# Altium PCB EMDO601_Patch.PcbDoc (part 3 of 3) (continued)
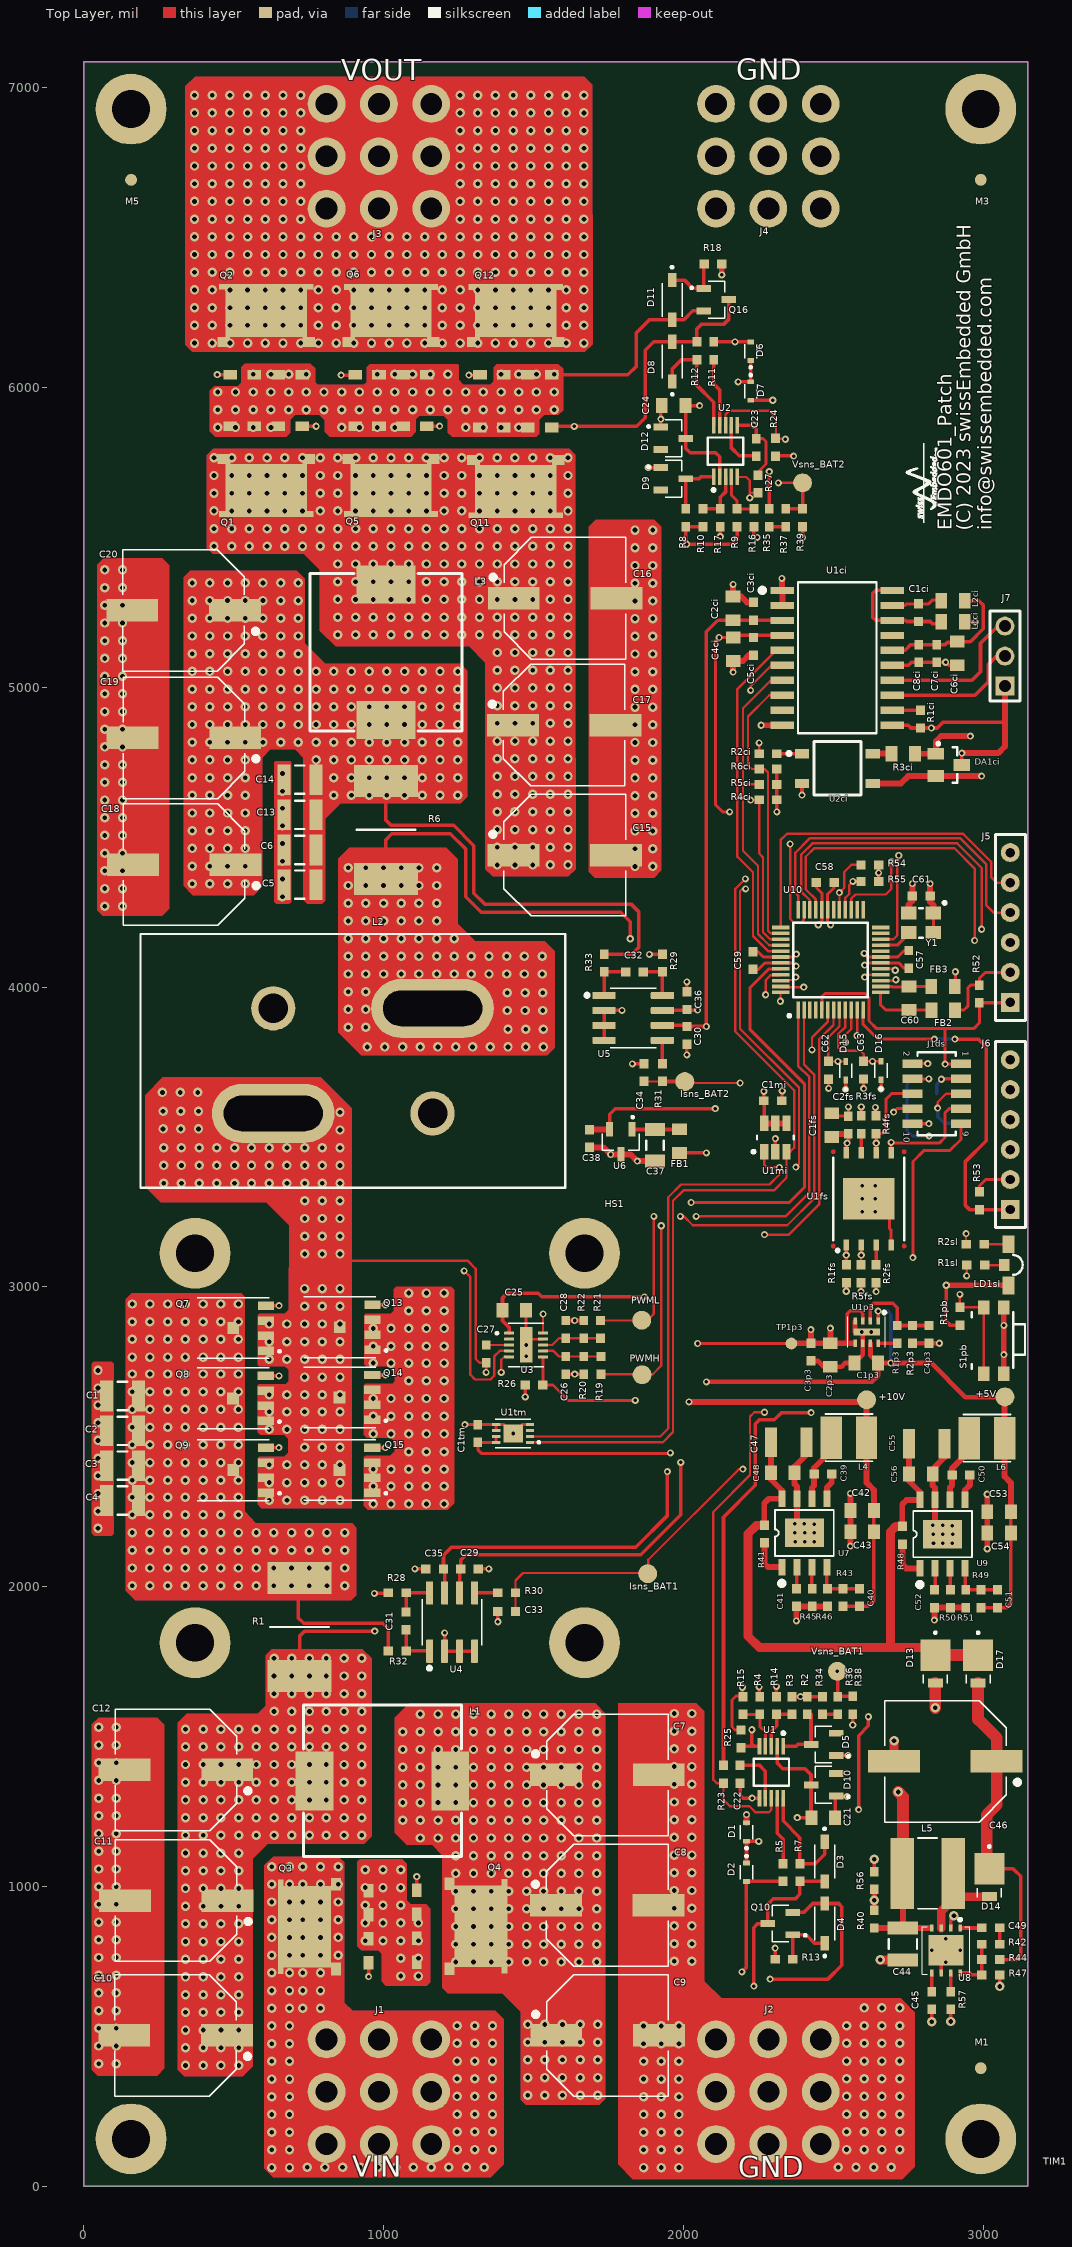
[diagram p0: Top Layer view]
## Nets (pads, with @x,y where several pads share a name; then routed paths per layer and width w, separated by ;. In a path a pad name is that pad's centre, name@x,y a point inside that pad or via, vN(x,y) a via of type N, cw(c..) or ccw(c..) an arc to the next point about the centre after c; other vN are vias at no path point) (continued)
NetR34_2: R34.2 R36.2 | length 56.1
  Top Layer w11.81: R34.2@2462.61,1573.81 R36.2@2514.77,1573.81 R36.2@2518.71,1573.81
NetR35_2: R35.2 R37.2 | length 55.1
  Top Layer w11.81: R35.2@2286.42,5536.41 R37.2@2341.54,5536.41
NetR40_1: R40.1 R56.2 U8.2 | length 419.9
  Top Layer w11.81: U8.2@2891.73,861.22 2891.73,890.75 v1(2902.56,901.57)
  Top Layer w19.68: R40.1@2636.81,920.28 v1(2636.81,953.74) R56.2@2636.81,990.16
  Mid-Layer 2 w11.81: v1(2636.81,953.74) 2636.81,923.23 2658.46,901.57 v1(2902.56,901.57)
NetR41_2: R41.2 U7.1 | length 137.5
  Top Layer w19.68: R41.2@2270.67,2145.67 2270.67,2076.77 2282.61,2064.83 U7.1@2328.96,2064.83 ; R41.2@2270.67,2145.71 R41.2@2274.43,2149.47
NetR42_2: R42.2 R44.1 R47.2 U8.8 | length 178.1
  Top Layer w11.81: U8.8@2923.23,711.61 2955.71,711.61 2962.6,704.72 R47.2@2996.06,704.72 R44.1@2996.06,755.91 R42.2@2996.06,807.09
NetR45_2: R45.2 U7.3 | length 73.1
  Top Layer w11.81: U7.3@2428.96,2064.83 2428.96,1995.93 2430.93,1993.96 R45.2@2431.91,1992.98
NetR48_2: R48.2 U9.1 | length 137.5
  Top Layer w19.68: R48.2@2731.3,2141.73 2731.3,2072.83 2743.24,2060.89 U9.1@2789.59,2060.89 ; R48.2@2731.3,2141.73 R48.2@2735.06,2145.54
NetR50_2: R50.2 U9.3 | length 73.1
  Top Layer w11.81: U9.3@2889.59,2060.89 2889.59,1991.99 2891.56,1990.03 R50.2@2892.54,1989.04
NetR57_2: R57.2 U8.7 | length 63
  Top Layer w11.81: R57.2@2891.73,648.62 U8.7@2891.73,711.61
PWM_EN: R26.2 U3.6 U10.44 | length 2520.6
  Top Layer w10: R26.2@1531.5,2672.24 R26.2@1531.89,2672.24 ; U3.6@1531.89,2766.73 R26.2@1531.89,2672.24 ; v2(1839.57,2621.06) 1616.14,2621.06 1564.96,2672.24 R26.2@1531.89,2672.24 ; v2(2025.59,3281.5) 2353.35,3281.5 2403.46,3331.61 2403.46,3677.24 2221.46,3859.25 2221.46,3997.05 2285.43,4061.02 U10.44@2324.29,4061.02
  Mid-Layer 2 w10: v2(1839.57,2621.06) 1839.57,3250 1871.06,3281.5 v2(2025.59,3281.5)
PWMH: PWMH.1 R19.1 U10.1 | length 1845.8
  Top Layer w7.87: R19.1@1724.8,2708.66 1897.64,2708.66 1926.18,2737.2 v2(1926.18,3203.74) ; v2(2042.32,3235.24) 2340.55,3235.24 2420.28,3314.96 2420.28,3699.8 2382.87,3737.2 U10.1@2382.87,3923.7
  Mid-Layer 2 w7.87: v2(1926.18,3203.74) 1997.05,3203.74 2030.51,3237.2 2032.48,3235.24 v2(2042.32,3235.24)
PWML: PWML.1 R21.1 U10.2 | length 1738
  Top Layer w7.87: R21.1@1723.83,2887.8 1878.95,2887.8 1901.57,2910.43 v2(1901.57,3235.24) ; v2(1990.16,3235.24) 2001.97,3235.24 2031.5,3205.71 2346.46,3205.71 2436.02,3295.28 2436.02,3708.66 2402.56,3742.13 U10.2@2402.56,3923.7
  Mid-Layer 2 w7.87: v2(1901.57,3235.24) v2(1990.16,3235.24)
RA4_S1MCLR3: J6.1 R53.1 U10.12 | length 1219.3
  Top Layer w10: U10.12@2599.41,3923.7 2599.41,3875.98 2648.62,3826.77 v2(2837.6,3826.77)
  Top Layer w11.81: v2(2905.51,3826.77) 2984.25,3826.77 3009.84,3801.18 3009.84,3487.2 2940.94,3418.31 2940.94,3271.65 2954.72,3257.87 R53.1@2988.19,3257.87 2988.58,3257.48 J6.1@3083.66,3257.48
  Bottom Layer w10: v2(2837.6,3826.77) v2(2905.51,3826.77) ; v2(2905.51,3826.77) 2905.51,3833.66 2912.4,3826.77 v2(2905.51,3826.77)
RB0_OSCI: U10.21 Y1.3 | length 113.3
  Top Layer w10: U10.21@2657.99,4139.76 2713.58,4139.76 2751.46,4177.64 Y1.3@2751.46,4181.79
RB5_S1PGD3: J6.4 U10.33 | length 1692.6
  Top Layer w7.87: U10.33@2441.93,4257.4 2441.93,4292.32 2408.46,4325.79 2408.46,4435.04 2437.01,4463.58 2903.54,4463.58 2971.46,4395.67 v2(2971.46,4155.51)
  Mid-Layer 2 w7.87: v2(2971.46,4155.51) 2991.14,4135.83 2991.14,3626.97 3060.63,3557.48 J6.4@3083.66,3557.48
RB6_S1PGC3: J6.5 U10.34 | length 1646.3
  Top Layer w7.87: U10.34@2422.24,4257.4 2422.24,4289.74 2392.72,4319.26 2392.72,4441.56 2430.48,4479.33 2913.39,4479.33 2995.22,4397.49 v2(2995.22,4192.91)
  Mid-Layer 2 w7.87: v2(2995.22,4192.91) 3008.86,4179.28 3008.86,3696.06 3047.44,3657.48 J6.5@3083.66,3657.48
SSD_CLK: J1ds.6 R4fs.2 U1fs.6 U10.46 | length 1228.6
  Top Layer w7.87: U10.46@2324.29,4021.65 2326.26,4023.62 2365.16,4023.62 v2(2375,4033.46)
  Top Layer w10: R4fs.2@2642.72,3511.12 2663.68,3511.12 2676.18,3523.62 2676.18,3625.98 2694.64,3644.44 J1ds.6@2764.41,3644.44
  Top Layer w11.81: R4fs.2@2642.72,3511.12 2643.31,3510.53 v2(2643.31,3479.82) U1fs.6@2643.31,3447.15
  Mid-Layer 2 w7.87: v2(2375,4033.46) 2375,3948.82 2393.7,3930.12 2631.89,3930.12 2724.9,3837.11 2724.9,3561.42 v2(2643.31,3479.82)
SSD_CS_N: J1ds.9 R1fs.1 U1fs.1 U10.45 | length 2347.2
  Top Layer w7.87: v2(2274.61,3974.41) 2274.61,4023.61 2290.36,4039.37 2322.32,4039.37 U10.45@2324.29,4041.34
  Top Layer w10: v2(2765.75,3097.44) 2765.75,3418.31 2803.15,3455.71 2889.76,3455.71 2925.82,3491.77 J1ds.9@2925.82,3544.44
  Top Layer w11.81: U1fs.1@2543.31,3140.06 v2(2543.31,3105.61) 2543.31,3074.11 R1fs.1@2544.29,3073.13
  Mid-Layer 2 w7.87: v2(2274.61,3974.41) 2274.61,3928.15 2304.13,3898.62 2609.25,3898.62 2685.53,3822.34 2685.53,3601.87 2630.91,3547.24 2531.5,3547.24 2502.95,3518.7 2502.95,3145.96 v2(2543.31,3105.61) 2570.18,3078.74 2747.05,3078.74 v2(2765.75,3097.44)
SSD_MISO: J1ds.8 R5fs.2 U1fs.2 U10.48 | length 1506.8
  Top Layer w7.87: v2(2323.82,3952.76) 2323.82,3981.81 U10.48@2324.29,3982.28 ; R5fs.2@2592.52,3073.13 2592.52,3104.63 v2(2593.5,3105.61) 2593.5,3139.86 U1fs.2@2593.31,3140.06
  Top Layer w10: v2(2701.28,3583.17) 2712.55,3594.44 J1ds.8@2764.41,3594.44
  Mid-Layer 2 w7.87: v2(2323.82,3952.76) 2323.82,3928.15 2337.6,3914.37 2622.05,3914.37 2701.28,3835.14 v2(2701.28,3583.17) 2647.64,3529.53 2536.42,3529.53 2518.7,3511.81 2518.7,3180.41 v2(2593.5,3105.61)
SSD_MOSI: J1ds.7 U1fs.5 U10.47 | length 1260.6
  Top Layer w7.87: U10.47@2322.32,4000 U10.47@2324.29,4001.97 2326.26,4000 v2(2401.57,4000) ; U1fs.5@2692.91,3447.54 U1fs.5@2693.31,3447.15
  Top Layer w10: U1fs.5@2692.91,3447.54 v2(2692.91,3482.28) 2695.94,3479.25 2853.27,3479.25 2872.67,3498.66 2872.67,3580.46 2886.65,3594.44 J1ds.7@2925.82,3594.44
  Mid-Layer 2 w7.87: v2(2401.57,4000) 2401.57,3955.71 2409.45,3947.83 2642.72,3947.83 2740.65,3849.9 2740.65,3530.02 v2(2692.91,3482.28)
SW: C27.1 L2.1 Q7.S Q8.S Q9.S Q13.D Q14.D Q15.D U3.5 | length 969.4
  Top Layer w7.87: v1(854.54,3109.87) 876.81,3087.6 1279.53,3087.6 1307.09,3060.04 1307.09,2759.84 1319.87,2747.06 C27.1@1342.17,2747.06 v2(1342.17,2714.58) ; v2(1392.37,2714.58) 1392.37,2756.9 1402.2,2766.73 U3.5@1418.9,2766.73
  Mid-Layer 2 w7.87: v2(1342.17,2714.58) v2(1392.37,2714.58)
  other v1: 618.31,2288.19 677.36,2288.19 736.42,2288.19 795.47,2288.19 854.53,2288.19 618.31,2347.24 677.36,2347.24 736.42,2347.24 795.47,2347.24 854.53,2347.24 618.31,2406.3 677.36,2406.3 736.42,2406.3 795.47,2406.3 854.53,2406.3 736.42,2465.35 795.47,2465.35 854.53,2465.35 618.31,2524.41 677.36,2524.41 736.42,2524.41 795.47,2524.41 854.53,2524.41 618.31,2583.46 677.36,2583.46 736.42,2583.46 795.47,2583.46 854.53,2583.46 618.31,2639.98 677.37,2639.98 736.42,2639.98 795.48,2639.98 854.53,2639.98 736.42,2699.03 795.48,2699.03 854.53,2699.03 618.31,2758.09 677.37,2758.09 736.42,2758.09 795.48,2758.09 854.53,2758.09 618.31,2817.14 677.37,2817.14 736.42,2817.14 795.48,2817.14 854.53,2817.14 618.31,2876.2 677.37,2876.2 736.42,2876.2 795.48,2876.2 854.53,2876.2 736.42,2935.25 795.48,2935.25 854.53,2935.25 736.42,2994.31 795.48,2994.31 854.53,2994.31 736.43,3109.87 795.48,3109.87 736.43,3168.93 795.48,3168.93 854.54,3168.93 736.43,3227.98 795.48,3227.98 854.54,3227.98 736.43,3287.04 795.48,3287.04 854.54,3287.04 266.53,3346.1 325.59,3346.1 384.64,3346.1 443.7,3346.1 502.75,3346.1 559.26,3346.09 618.32,3346.09 677.37,3346.09 736.43,3346.09 795.48,3346.09 854.54,3346.09 266.53,3405.15 325.59,3405.15 384.64,3405.15 443.7,3405.15 502.75,3405.15 559.26,3405.15 618.32,3405.15 677.37,3405.15 736.43,3405.15 795.48,3405.15 854.54,3405.15 266.53,3464.21 325.59,3464.21 384.64,3464.21 443.7,3464.21 502.75,3464.21 559.26,3464.2 618.32,3464.2 677.37,3464.2 736.43,3464.2 795.48,3464.2 854.54,3464.2 854.54,3523.26 264.36,3526.84 323.42,3526.84 382.47,3526.84 854.54,3582.31 264.36,3585.9 323.42,3585.9 382.47,3585.9 262.19,3648.53 321.25,3648.53 380.3,3648.53
SWITCH_D: R1pb.1 S1pb.1 S1pb.3 U10.17 | length 1732.5
  Top Layer w7.87: U10.17@2657.99,4061.02 2702.1,4061.02 v2(2706.83,4056.3) ; R1pb.1@2922.24,2931.59 R1pb.1@2922.24,2931.75 ; v2(2922.24,2974.9) R1pb.1@2922.24,2931.75 ; S1pb.3@3001.97,2710.14 S1pb.1@3001.97,2930.61 3000.83,2931.75 R1pb.1@2922.24,2931.75
  Mid-Layer 2 w7.87: v2@2702.76,4061.02 v2@2706.69,4057.09 ; v2(2706.83,4056.3) 2715.35,4056.3 2787.89,3983.76 2787.89,3265.26 2828.74,3224.41 2963.58,3224.41 2990.16,3197.83 2990.16,3008.86 2956.2,2974.9 v2(2922.24,2974.9) v2@2921.26,2975.89
TG: Q7.G Q8.G Q9.G U3.4 | length 2258.5
  Top Layer w7.87: v2(1268.7,3053.15) 1289.37,3032.48 1289.37,2706.69 1305.11,2690.95 1356.31,2690.95 1368.75,2703.39 1368.75,2767.73 1387.44,2786.42 U3.4@1418.9,2786.42
  Top Layer w11.81: Q8.G@607.01,2702.99 v2(651.04,2702.99) ; Q9.G@607.28,2463.58 v2(650.59,2463.58) ; Q7.G@607.34,2937.31 v2(650.92,2937.31)
  Top Layer w19.68: Q8.G@606.81,2703.19 Q8.G@607.01,2702.99 ; Q7.G@607.2,2937.44 Q7.G@607.34,2937.31
  Mid-Layer 2 w11.81: v2@651.04,2464.03 v2(650.59,2463.58) 575.79,2463.58 557.09,2482.28 557.09,2702.99 ; v2(651.04,2702.99) 557.09,2702.99 ; v2@651.04,2937.19 v2(650.92,2937.31) 557.77,2937.31 557.09,2937.99 ; v2(1268.7,3053.15) 580.71,3053.15 557.09,3029.53 557.09,2937.99 ; 557.09,2702.99 557.09,2937.99
UART_RX: U10.3
UART_TX: U10.4
VCAN: C6ci.2 C7ci.2 C8ci.2 L2ci.2 U1ci.16 | length 477.8
  Top Layer w11.81: U1ci.16@2696.36,5123.62 2739.76,5123.62 2758.86,5142.72 2874.02,5142.72 2880.91,5149.61 C6ci.2@2912.4,5149.61 ; C6ci.2@2913.39,5152.56 2957.68,5152.56 3000,5194.88 3000,5274.61 2985.24,5289.37 L2ci.2@2938.98,5289.37
Vpsu: C47.2 C48.2 C55.2 C56.2 D13.C D17.C R41.1 R48.1 U7.8 U9.8 | length 2310.1
  Top Layer w19.68: R41.1@2274.43,2208.53 2269.68,2213.28 2269.68,2278.54 2284.32,2293.17 U7.8@2328.96,2293.17 2328.96,2320.65 2292.32,2357.28 C47.2@2292.32,2482.28 ; R48.1@2730.31,2209.34 2730.31,2274.61 2744.95,2289.24 U9.8@2789.59,2289.24 2789.59,2315.72 2752.95,2352.36 C55.2@2752.95,2476.38
  Top Layer w29.53: R41.1@2270.67,2204.72 2244.09,2204.72 2215.64,2176.27 2215.64,1834.56 2252.95,1797.24 2690.94,1797.24 ; R48.1@2731.3,2200.79 2708.66,2200.79 2690.94,2183.07 2690.94,1797.24 ; D13.C@2840.55,1771.69 2815,1797.24 2690.94,1797.24
  Top Layer w39.37: D13.C@2840.65,1771.59 D17.C@2983.27,1771.59
Vsns_BAT1: C62.2 D15.A R36.1 R38.1 U10.8 Vsns_BAT1.1 | length 2961.3
  Top Layer w7.87: C62.2@2484.25,3751.97 2483.27,3752.95 2483.27,3831.89 2520.67,3869.29 U10.8@2520.67,3923.7 ; C62.2@2484.44,3751.78 D15.A@2541.43,3751.78 ; v2@2511.81,3751.97 v2(2515.75,3751.97)
  Top Layer w11.81: Vsns_BAT1.1@2514.76,1717.52 v2(2513.78,1717.52) 2514.76,1716.54 2514.76,1633.85 R38.1@2563.98,1633.85
  Mid-Layer 2 w7.87: v2(2513.78,1717.52) 2277.56,1717.52 2245.08,1750 2245.08,3741.14 2267.22,3763.29 2504.43,3763.29 ; v2@2514.76,1716.54 v2@2514.76,1717.52 ; v2(2515.75,3751.97) 2504.43,3763.29 ; 2524.11,3763.29 2504.43,3763.29
Vsns_BAT2: C63.2 D16.A R37.1 R39.1 U10.9 Vsns_BAT2.1 | length 3086.2
  Top Layer w7.87: v2(2316.93,5682.09) Vsns_BAT2.1@2397.64,5682.09 ; U10.9@2540.35,3923.7 2540.35,3866.7 2516.73,3843.08 2516.73,3798.23 2527.56,3787.4 2591.05,3787.4 2601.44,3777.01 C63.2@2601.44,3752.46 v2(2630.91,3752.46) 2648.34,3752.46 ; 2648.63,3752.76 2648.34,3752.46 ; D16.A@2659.16,3752.46 2648.34,3752.46
  Top Layer w11.81: R37.1@2342.13,5594.88 R37.1@2341.54,5595.47 R39.1@2397.64,5595.47 2398.62,5595.47 Vsns_BAT2.1@2398.62,5682.09
  Mid-Layer 2 w7.87: v2(2316.93,5682.09) 2204.72,5682.09 2178.15,5655.51 2178.15,5458.66 2164.37,5444.88 2114.17,5444.88 2054.13,5384.84 2054.13,4389.76 2239.17,4204.72 2239.17,3934.06 2290.35,3882.87 2592.52,3882.87 2630.91,3844.49 v2(2630.91,3752.46)
pads on no net: D5.2 D9.2 D10.2 D12.2 HS1.0 J5.6 J6.6 L2.MH1 L2.MH2 M1.1 M2.1 M3.1 M4.1 M5.1 M6.1 U1ci.9 U1ci.17 U1tm.3 U3.2 U10.20 U10.23 U10.24 U10.25 U10.26 U10.30

## Polygon pours and split planes (outlines as drawn)
GND on Bottom Layer "Top Layer-No Net" (solid, remove dead copper, pour order 8): 3149.9,5554.1 3104.62,5508.83 2460.6,5508.83 2419.29,5467.52 2419.29,4565.95 2463.58,4521.65 3115.98,4521.65 3149.9,4489.52 3149.89,0.95 0.29,0.96 0.29,7087.56 3149.9,7087.57
3V3 on Mid-Layer 1 "Bottom Layer-No Net" (solid, pour order 4): 2265.75,4457.68 3102.13,4457.68 3136.81,4422.99 3136.81,2854.33 3080.69,2798.21 2271.65,2798.23 2222.44,2847.44 2222.44,4414.37
GND on Mid-Layer 1 "Top Layer-No Net" (solid, remove dead copper, pour order 6): 3149.55,5553.45 3104.27,5508.18 2459.95,5508.18 2419.29,5467.51 2419.29,4565.95 2463.59,4521.65 3115.36,4521.65 3149.55,4488.74 3149.55,0.31 -0.06,0.3 -0.06,7086.92 3149.54,7086.92

## Keep-outs
Keep-Out Layer:
  the board outline again, w5

## Other copper
Top Layer:
  region net GND: 1782.47,1610.25 2043.3,1610.24 2068.9,1584.64 2068.9,682.81 2128.7,626.97 2724.38,626.99 2771.64,579.74 2771.66,63.98 2730.54,22.87 1831.83,22.96 1782.48,72.31
  region net NetC7_1: 1037.4,1179.14 1079.17,1137.36 1161.68,1138.51 1195.87,1104.33 1195.87,676.18 1195.87,662.4 1214.57,643.7 1395.67,643.7 1457.68,581.69 1457.68,287.4 1473.43,271.66 1719.49,271.65 1740.16,292.32 1740.16,1575.79 1705.71,1610.23 1085.63,1610.24 1037.4,1562.01
  region net Isns_BAT1_P: 606.3,1771.66 606.3,1602.36 579.72,1575.78 343.51,1575.79 312.99,1545.28 312.99,388.78 335.63,366.14 529.53,366.14 562.99,399.61 562.99,1091.54 614.17,1142.72 935.04,1142.72 959.65,1167.32 959.64,1760.82 929.14,1791.34 625.97,1791.33
  region net +BAT2: 338.6,6142.7 338.57,7004.91 371.13,7037.46 1669.31,7037.37 1696.82,7009.87 1696.85,6144.69 1671.26,6119.09 362.16,6119.12
  region net NetC15_1: 1285.43,5136.81 1339.57,5082.67 1339.57,4393.7 1364.18,4369.09 1616.14,4369.1 1640.53,4393.48 1638.78,5136.81 1638.78,5775.59 1619.1,5795.27 432.09,5795.28 410.43,5773.62 410.45,5464.55 430.1,5444.9 734.23,5444.88 787.4,5391.71 787.41,5188.97 839.57,5136.81
  region net NetD11_A: 674.42,5835.84 687.99,5849.41 687.99,5892.72 704.72,5909.45 785.43,5909.45 804.14,5890.74 804.13,5852.59 820.31,5836.14 1091.76,5836.71 1107.28,5852.42 1107.28,5894.69 1119.09,5906.5 1200.79,5906.5 1214.57,5892.7 1214.56,5849.4 1228.62,5835.35 1508.58,5835.36 1519.68,5846.46 1519.69,5892.72 1536.42,5909.45 1582.68,5909.45 1598.42,5925.2 1598.43,6062.01 1582.67,6077.76 1377.96,6077.76 1368.11,6067.91 1368.11,6020.67 1356.3,6008.86 1266.38,6008.85 1249.93,6025.33 1249.92,6075.27 1247.43,6077.77 953.79,6077.76 943.51,6067.48 943.51,6018.31 933.95,6008.76 886.81,6008.74 780.51,6008.86 771.65,6017.72 771.65,6063.98 755.91,6079.72 537.4,6079.73 525.59,6067.91 525.59,6016.73 513.78,6004.92 435.04,6004.92 419.29,5989.17 419.29,5854.33 438.27,5835.35
  region net NetD4_A: 1007.87,668.31 993.1,683.08 993.11,775.59 982.28,786.42 925.19,786.42 911.43,800.19 911.41,1080.7 921.26,1090.56 1062.02,1090.55 1076.77,1075.79 1076.77,953.74 1090.55,939.96 1141.73,939.96 1155.51,926.18 1155.51,680.12 1143.7,668.3
  region net Isns_BAT1_N: 139.77,1986.22 172.24,1953.74 891.73,1953.74 909.45,1971.46 909.45,2196.85 895.67,2210.63 572.85,2210.63 537.4,2251.48 537.42,2966.53 525.6,2978.35 159.44,2978.34 139.76,2958.66
  region net GND: 933.08,2505.9 942.91,2496.06 1023.62,2496.06 1036.42,2483.27 1036.42,2450.79 1021.65,2436.02 937.99,2436.02 933.07,2431.1 933.07,2269.69 946.85,2255.91 1213.58,2255.91 1235.24,2277.56 1235.23,2571.85 1235.25,2990.14 1225.39,3000 1041.34,3000 1033.58,2992.24 1033.58,2920.39 1023.62,2910.43 939.96,2910.43 935.04,2905.51 935.04,2741.14 941.69,2734.49 1024.72,2734.48 1037.52,2721.69 1037.52,2684.29 1029.64,2676.41 939.21,2676.42 933.07,2670.28
  region net SW: 579.69,2514.8 587.61,2506.89 668.3,2506.89 681.1,2494.09 681.1,2445.87 669.29,2434.05 585.32,2434.06 579.69,2428.97 579.7,2274.65 592.51,2261.82 893.7,2261.81 893.72,3595.46 790.35,3698.82 263.78,3698.82 204.72,3639.76 204.72,3333.65 255.89,3282.5 608.26,3282.47 685.05,3205.7 684.26,2924.14 669.8,2909.69 584.88,2909.68 579.7,2904.5 579.7,2740.18 584.41,2735.48 670.79,2735.47 683.59,2722.68 683.58,2685.28 673.5,2675.19 582.68,2675.19 579.69,2672.21
  region net +BAT1: 602.36,1069.88 631.52,1099.04 848.8,1099.03 868.11,1079.72 868.11,612.48 897.16,585.35 1372.37,585.37 1401.31,556.43 1401.33,73.57 1357.53,29.78 631.57,29.85 602.37,59.05
  region net Isns_BAT2_P: 1305.11,4152.55 1247.05,4210.62 1247.05,4426.19 1208.67,4464.57 884.84,4464.56 849.18,4428.91 849.18,3849.61 926.18,3772.64 1545.27,3772.63 1570.85,3798.21 1570.87,4120.08 1538.36,4152.57
  region net Isns_BAT2_N: 806.09,5078.75 737.2,5147.64 737.2,5362.21 710.62,5388.78 354.33,5388.78 332.68,5367.13 332.68,4337.59 363.19,4307.09 565.94,4307.08 594.49,4335.63 594.49,4765.75 622.05,4793.31 704.73,4793.31 732.28,4765.75 732.28,4291.34 746.06,4277.56 795.28,4277.56 806.09,4288.37 806.09,4561.3 856.8,4613.21 1256.89,4613.18 1279.52,4635.83 1279.53,5056.1 1256.92,5078.71
  region net GND: 933.08,2505.9 942.91,2496.06 1023.62,2496.06 1036.42,2483.27 1036.42,2450.79 1021.65,2436.02 937.99,2436.02 933.07,2431.1 933.07,2269.69 946.85,2255.91 1213.58,2255.91 1235.24,2277.56 1235.23,2571.85 1235.25,2990.14 1225.39,3000 1041.34,3000 1033.58,2992.24 1033.58,2920.39 1023.62,2910.43 939.96,2910.43 935.04,2905.51 935.04,2741.14 941.69,2734.49 1024.72,2734.48 1037.52,2721.69 1037.52,2684.29 1029.64,2676.41 939.21,2676.42 933.07,2670.28
  region net GND: 933.08,2505.9 942.91,2496.06 1023.62,2496.06 1036.42,2483.27 1036.42,2450.79 1021.65,2436.02 937.99,2436.02 933.07,2431.1 933.07,2269.69 946.85,2255.91 1213.58,2255.91 1235.24,2277.56 1235.23,2571.85 1235.25,2990.14 1225.39,3000 1041.34,3000 1033.58,2992.24 1033.58,2920.39 1023.62,2910.43 939.96,2910.43 935.04,2905.51 935.04,2741.14 941.69,2734.49 1024.72,2734.48 1037.52,2721.69 1037.52,2684.29 1029.64,2676.41 939.21,2676.42 933.07,2670.28
  region net GND: 26.57,388.55 46.04,369.09 244.09,369.09 267.93,392.93 267.49,1539.59 244.1,1562.99 49.21,1562.99 26.58,1540.36
  region net GND: 44.29,4256.66 63.75,4237.2 261.81,4237.2 285.65,4261.04 285.21,5407.7 261.81,5431.1 66.93,5431.1 44.29,5408.47
  region net GND: 1685.04,4384.62 1704.5,4365.16 1902.56,4365.16 1926.4,4388.99 1925.95,5535.66 1902.56,5559.06 1707.67,5559.05 1685.04,5536.42
  region net GND: 34.44,2170.28 26.59,2178.14 26.57,2744.09 33.47,2750.98 92.31,2750.99 99.9,2743.4 99.9,2176.67 93.51,2170.28
  region net GND: 634.86,4284.44 641.73,4277.56 685.91,4277.56 691.92,4283.25 691.93,4749.94 687.93,4753.93 638.84,4753.94 634.84,4749.94
Mid-Layer 1:
  region net +BAT1: 602.36,1069.88 631.52,1099.04 848.8,1099.04 868.11,1079.72 868.11,612.48 897.16,585.35 1372.37,585.37 1401.31,556.43 1401.33,73.57 1357.53,29.78 631.57,29.85 602.37,59.05
  region net NetD4_A: 1007.87,668.31 993.1,683.08 993.11,775.59 982.28,786.42 925.2,786.42 911.42,800.19 911.41,1085.63 916.33,1090.56 1062.02,1090.54 1076.77,1075.79 1076.77,953.74 1090.55,939.96 1141.73,939.96 1155.52,926.18 1155.51,680.11 1143.7,668.3
  region net NetC7_1: 1037.4,1179.14 1079.17,1137.36 1161.68,1138.51 1195.87,1104.33 1195.87,676.18 1195.87,662.4 1214.57,643.7 1395.67,643.7 1457.68,581.69 1457.68,287.4 1473.43,271.66 1719.49,271.65 1740.16,292.32 1740.16,1575.79 1705.71,1610.23 1085.63,1610.24 1037.4,1562.01
  region net Isns_BAT1_P: 606.3,1770.67 606.29,1602.36 579.72,1575.78 343.51,1575.79 312.99,1545.28 312.99,388.78 335.63,366.14 529.53,366.14 562.99,399.61 562.99,1091.54 614.17,1142.72 935.04,1142.72 959.65,1167.32 959.64,1760.82 929.14,1791.34 626.96,1791.33
  region net Isns_BAT1_N: 139.77,1986.22 172.24,1953.74 891.73,1953.74 909.45,1971.46 909.45,2196.85 895.67,2210.63 572.85,2210.63 537.4,2251.48 537.42,2966.53 525.6,2978.35 159.44,2978.34 139.76,2958.66
  region net SW: 579.69,2514.8 587.61,2506.89 668.3,2506.89 681.1,2494.09 681.1,2445.87 669.29,2434.05 585.32,2434.06 579.69,2428.97 579.7,2274.65 592.51,2261.82 893.7,2261.81 893.72,3594.47 789.36,3698.82 263.78,3698.82 204.72,3639.76 204.72,3333.65 255.89,3282.5 608.26,3282.47 685.05,3205.7 684.26,2924.14 669.8,2909.69 584.88,2909.68 579.7,2904.5 579.7,2740.18 584.41,2735.48 670.79,2735.47 683.59,2722.68 683.58,2685.28 673.5,2675.19 582.68,2675.19 579.69,2672.21
  region net Isns_BAT2_P: 1305.11,4152.55 1247.05,4210.62 1247.05,4426.19 1208.67,4464.57 884.84,4464.56 849.18,4428.91 849.18,3849.61 926.18,3772.64 1545.27,3772.63 1570.85,3798.21 1570.87,4120.08 1538.36,4152.57
  region net Isns_BAT2_N: 1256.89,4613.18 752.16,4613.18 732.28,4633.86 732.28,4765.75 704.73,4793.3 622.05,4793.31 594.49,4765.75 594.49,4335.63 565.94,4307.08 363.19,4307.09 332.68,4337.59 332.68,5367.13 354.33,5388.78 710.62,5388.78 737.2,5362.21 737.2,5147.64 806.09,5078.75 1256.92,5078.71 1279.53,5056.1 1279.52,4635.83
  region net NetC15_1: 1285.43,5136.81 1339.57,5082.67 1339.57,4393.7 1364.18,4369.09 1616.14,4369.1 1640.53,4393.48 1638.78,5136.81 1638.78,5775.59 1619.1,5795.27 432.09,5795.28 410.43,5773.62 410.45,5464.55 430.1,5444.9 734.23,5444.88 787.4,5391.71 787.41,5188.97 839.57,5136.81
  region net NetD11_A: 674.42,5835.84 687.99,5849.41 687.99,5892.72 704.72,5909.45 785.43,5909.45 804.14,5890.74 804.13,5852.59 820.31,5836.14 1091.76,5836.71 1107.28,5852.42 1107.28,5894.69 1119.09,5906.5 1200.79,5906.5 1214.57,5892.7 1214.56,5849.4 1228.62,5835.35 1508.58,5835.36 1519.68,5846.46 1519.69,5892.72 1536.42,5909.45 1582.68,5909.45 1598.42,5925.2 1598.43,6062.01 1582.67,6077.76 1377.96,6077.76 1368.11,6067.91 1368.11,6020.67 1356.3,6008.86 1266.38,6008.85 1249.93,6025.33 1249.92,6075.27 1247.43,6077.77 953.79,6077.76 943.51,6067.48 943.51,6018.31 933.95,6008.76 886.81,6008.74 780.51,6008.86 771.65,6017.72 771.65,6063.98 755.91,6079.72 537.4,6079.73 525.59,6067.91 525.59,6016.73 513.78,6004.92 435.04,6004.92 419.29,5989.17 419.29,5854.33 438.27,5835.35
  region net +BAT2: 338.6,6142.7 338.57,7004.91 371.13,7037.46 1669.31,7037.37 1696.82,7009.87 1696.85,6144.69 1671.26,6119.09 362.16,6119.12
Bottom Layer:
  region net +BAT1: 602.36,1069.88 631.52,1099.04 848.8,1099.03 868.11,1079.72 868.11,612.47 897.16,585.35 1372.37,585.37 1401.31,556.43 1401.33,73.57 1357.53,29.79 631.57,29.85 602.37,59.05
  region net NetD4_A: 1007.87,668.31 993.1,683.08 993.11,775.59 982.28,786.42 925.19,786.42 911.42,800.2 911.41,1085.63 916.33,1090.56 1062.01,1090.54 1076.77,1075.79 1076.77,953.74 1090.55,939.96 1141.73,939.96 1155.52,926.18 1155.51,680.12 1143.7,668.3
  region net NetC7_1: 1037.4,1179.14 1079.17,1137.36 1161.68,1138.51 1195.87,1104.33 1195.87,662.4 1214.57,643.7 1395.67,643.7 1457.68,581.69 1457.68,287.4 1473.43,271.66 1719.49,271.65 1740.16,292.32 1740.16,1575.79 1705.71,1610.23 1085.63,1610.24 1037.4,1562.01
  region net Isns_BAT1_P: 606.3,1771.65 606.29,1602.36 579.72,1575.78 343.51,1575.79 312.99,1545.28 312.99,388.78 335.63,366.14 529.53,366.14 562.99,399.61 562.99,1091.53 614.17,1142.72 935.04,1142.72 959.65,1167.32 959.64,1760.82 929.14,1791.34 625.97,1791.33
  region net Isns_BAT1_N: 139.77,1986.22 172.24,1953.74 891.73,1953.74 909.45,1971.46 909.45,2196.85 895.67,2210.63 572.85,2210.63 537.4,2251.48 537.42,2966.53 525.6,2978.35 159.44,2978.34 139.76,2958.66
  region net SW: 579.69,2514.8 587.61,2506.89 668.3,2506.89 681.1,2494.09 681.1,2445.87 669.29,2434.05 585.32,2434.06 579.69,2428.97 579.7,2274.65 592.51,2261.82 893.7,2261.81 893.72,3595.46 790.35,3698.82 263.78,3698.82 204.72,3639.76 204.72,3333.65 255.89,3282.5 608.26,3282.47 685.05,3205.7 684.26,2924.14 669.8,2909.69 584.88,2909.68 579.7,2904.5 579.7,2740.18 584.41,2735.48 670.79,2735.47 683.59,2722.68 683.58,2685.28 673.5,2675.19 582.68,2675.19 579.69,2672.21
  region net Isns_BAT2_P: 1305.11,4152.55 1247.05,4210.62 1247.05,4426.19 1208.67,4464.57 884.84,4464.56 849.18,4428.91 849.18,3850.6 927.17,3772.64 1545.27,3772.63 1570.85,3798.21 1570.87,4120.08 1538.36,4152.57
  region net Isns_BAT2_N: 1256.89,4613.18 762.81,4613.18 732.28,4643.7 732.28,4765.75 704.73,4793.31 622.05,4793.31 594.49,4765.75 594.49,4335.63 565.94,4307.08 363.19,4307.09 332.68,4337.59 332.68,5367.13 354.33,5388.78 710.62,5388.78 737.2,5362.21 737.2,5147.64 806.09,5078.75 1256.92,5078.71 1279.53,5056.1 1279.52,4635.83
  region net NetC15_1: 1285.43,5136.81 1339.57,5082.67 1339.57,4393.7 1364.18,4369.09 1616.14,4369.1 1640.53,4393.48 1638.78,5136.81 1638.78,5775.59 1619.1,5795.27 432.09,5795.28 410.43,5773.62 410.45,5464.55 430.1,5444.9 734.23,5444.88 787.4,5391.71 787.41,5188.97 839.57,5136.81
  region net NetD11_A: 674.42,5835.84 687.99,5849.41 687.99,5892.72 704.72,5909.45 785.43,5909.45 804.14,5890.74 804.13,5852.59 820.31,5836.14 1091.76,5836.71 1107.28,5852.42 1107.28,5894.69 1119.09,5906.5 1200.79,5906.5 1214.57,5892.7 1214.56,5849.4 1228.62,5835.35 1508.58,5835.36 1519.68,5846.46 1519.69,5892.72 1536.42,5909.45 1582.68,5909.45 1598.42,5925.2 1598.43,6062.01 1582.67,6077.76 1377.96,6077.76 1368.11,6067.91 1368.11,6020.67 1356.3,6008.86 1266.38,6008.85 1249.93,6025.33 1249.92,6075.27 1247.43,6077.77 953.79,6077.76 943.51,6067.48 943.51,6018.31 933.95,6008.76 886.81,6008.74 780.51,6008.86 771.65,6017.72 771.65,6063.98 755.91,6079.72 537.4,6079.73 525.59,6067.91 525.59,6016.73 513.78,6004.92 435.04,6004.92 419.29,5989.17 419.29,5854.33 438.27,5835.35
  region net +BAT2: 338.6,6142.7 338.57,7004.91 371.13,7037.46 1669.31,7037.37 1696.82,7009.87 1696.85,6144.69 1671.26,6119.09 362.16,6119.12

## Silkscreen, mask and mechanical layers (free items; w line width, h text height)
Top Overlay:
  drawing of 1288 lines, arcs and shapes, not listed
  text "GND" at 2177.17,7003.94 h118.11
  text "VOUT" at 859.25,7001.97 h118.11
  text "EMDO601_Patch" at 2910.43,5523.62 h78.74 r90
  text "info@swissembedded.com" at 3043.31,5523.62 h78.74 r90
  text "(C) 2023 swissEmbedded GmbH" at 2974.41,5522.64 h78.74 r90
  text "VIN" at 895.67,7.87 h118.11
  text "GND" at 2183.07,6.89 h118.11
3D Layer:
  lines w0.5: 2307.59,2377.68 2309.31,2377.68 ; 2768.22,2373.74 2769.94,2373.74

## Dimensions
0,0 to 3149.61,0 on Top Overlay
0,7086.61 to 0,0 on Top Overlay

## Text inside footprints (layer, text, board x,y; h text height)
J1ds: Top Overlay "9" at 2923.86,3518.46 h35.43 r270; Top Overlay "10" at 2727,3518.26 h35.43 r270; Top Overlay "2" at 2727,3786.17 h35.43 r270; Top Overlay "1" at 2923.86,3786.17 h35.43 r270
TP1ds: Bottom Overlay "PGC" at 2894.72,3514.52 h35.43 r270; Bottom Overlay "PGD" at 2772.67,3522.39 h35.43 r270; Bottom Overlay "VSS" at 2792.36,3609.01 h35.43 r270; Bottom Overlay "VDD" at 2772.67,3699.56 h35.43 r270; Bottom Overlay "MCLR" at 2894.72,3675.94 h35.43 r270